# Altium PCB HV_Module_6W.PCBDOC (part 3 of 4) (continued)
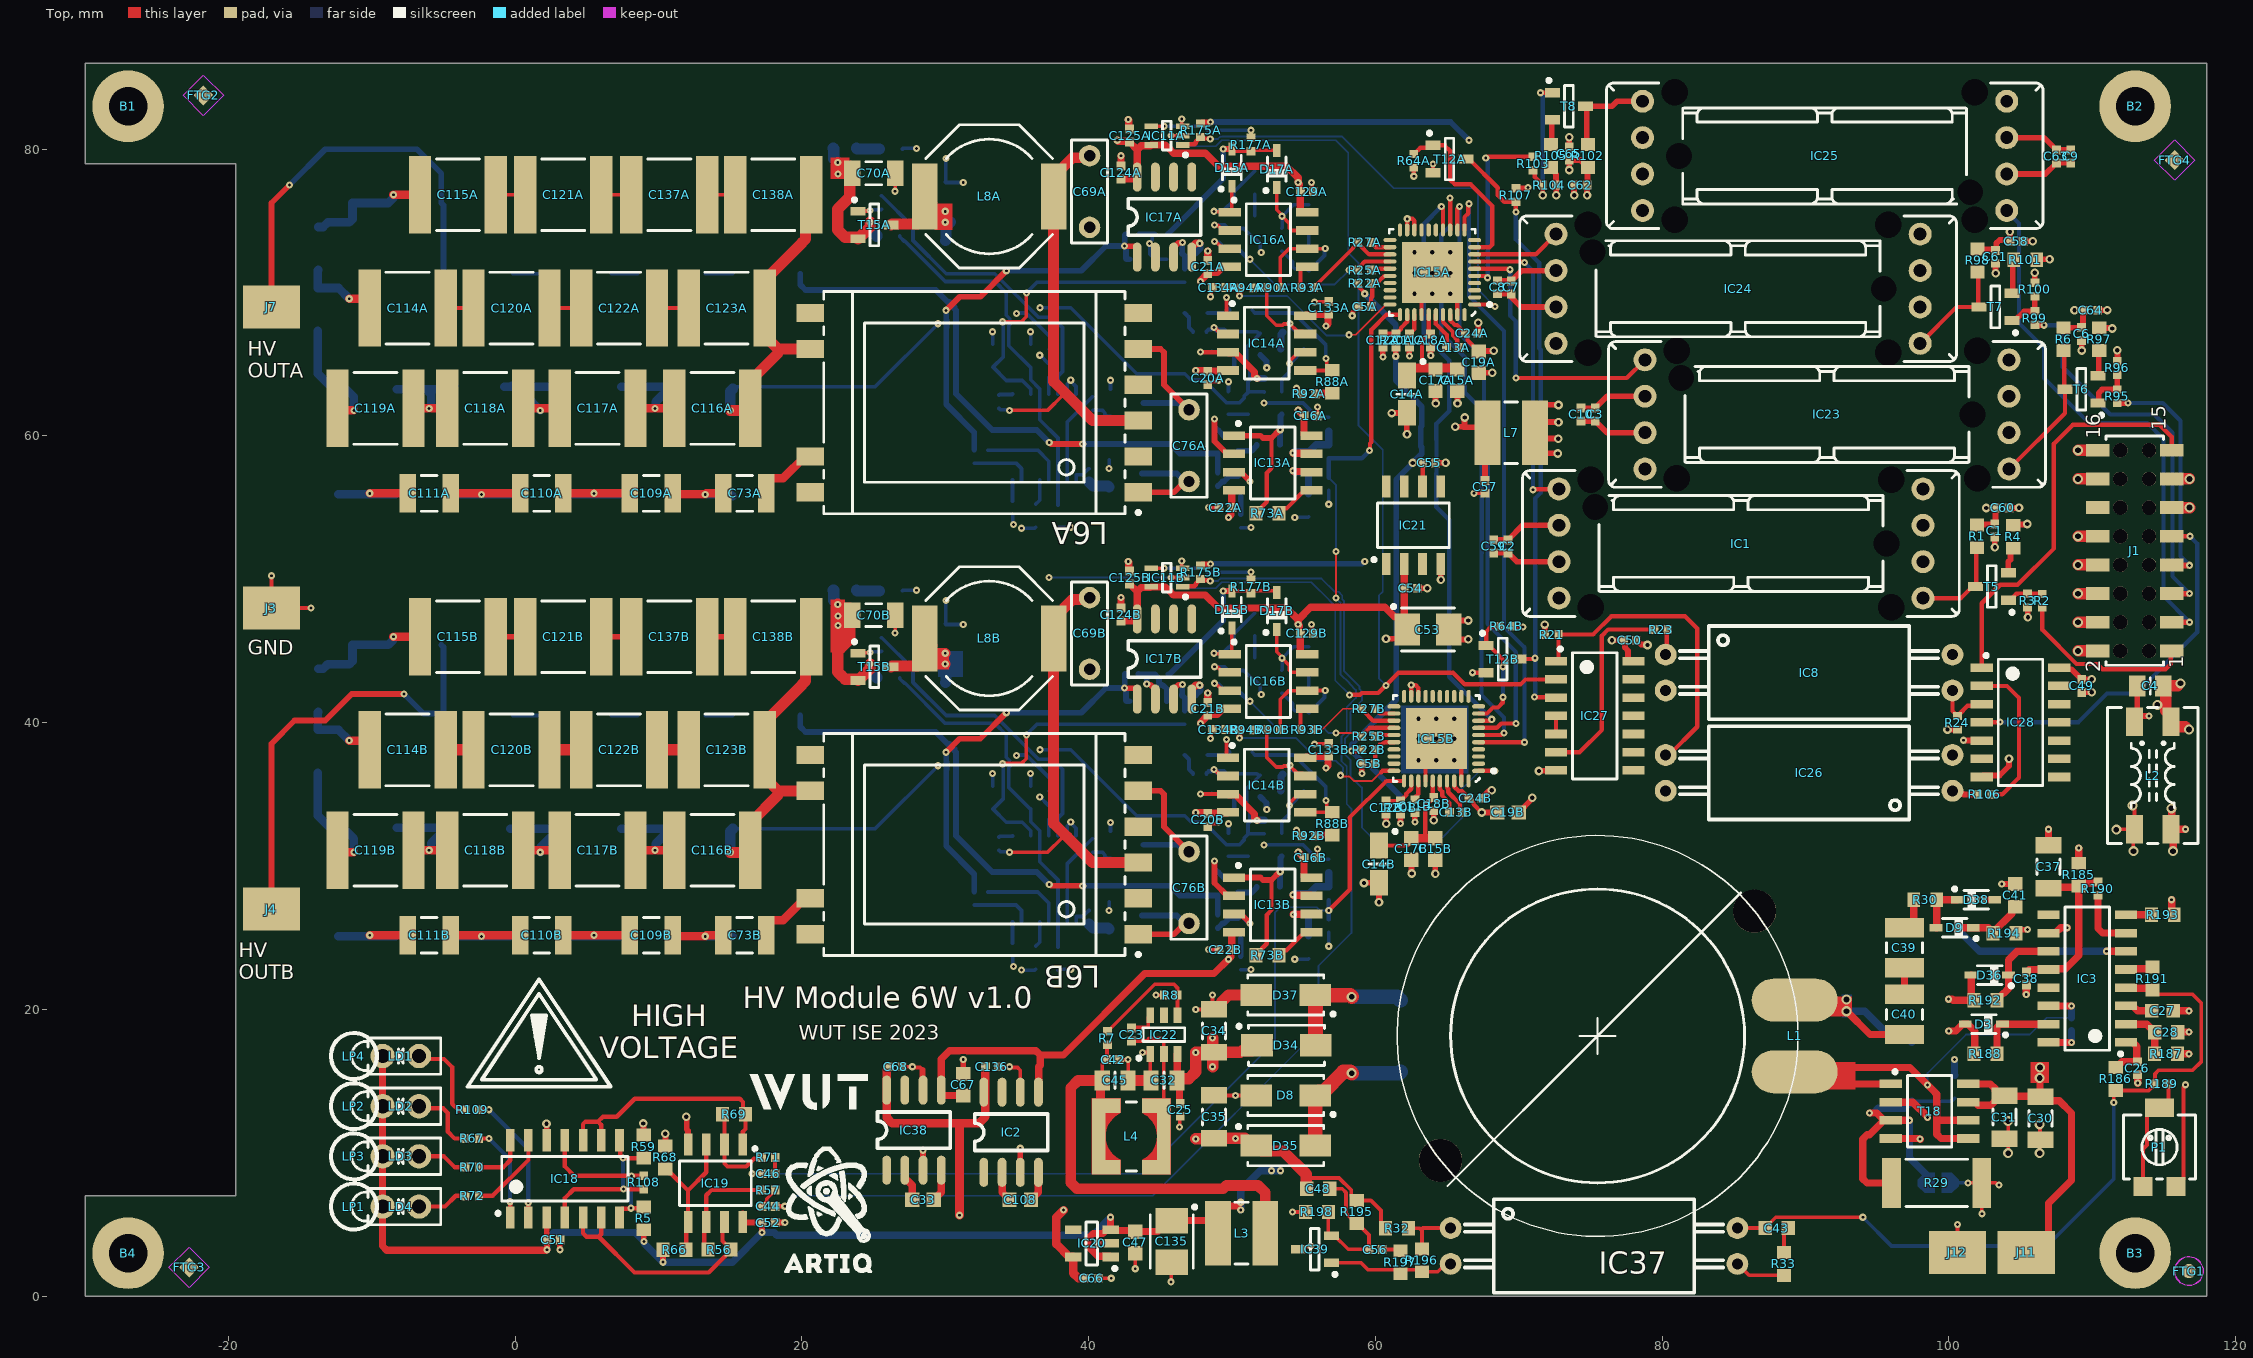
[diagram p0: Top view]
## Nets (pads, with @x,y where several pads share a name; then routed paths per layer and width w, separated by ;. In a path a pad name is that pad's centre, name@x,y a point inside that pad or via, vN(x,y) a via of type N, cw(c..) or ccw(c..) an arc to the next point about the centre after c; other vN are vias at no path point) (continued)
  Bot w0.762: v1(15,61.785) D1A.1@15,63.115 ; D1A.1@15,63.115 D1A.1@15.177,63.292 D1A.1@15,63.115
NetC116A_2: C116A.2 C117A.1 D19A.2 D25A.1 D32A.1 D33A.2 | length 8.6
  Top w0.6: C117A.1@8.4,61.925 v1(9.75,61.925) C116A.2@11.1,61.925
  Bot w0.6: D19A.2@7.405,63.425 D33A.2@10.843,63.425 ; v1(9.75,61.925) 9.805,61.98 9.805,62.387 D33A.2@10.843,63.425 ; D32A.1@11.343,63.425 D33A.2@10.843,63.425
NetC116B_1: C116B.1 C123B.1 C132B.2 C138B.1 D1B.1 D16B.1 D39B.2 L6B.8 R89B.2 R183B.2 | length 71.7
  Top w0.762: v1(15,30.96) 16.26,30.96 C116B.1@16.4,31.1 16.4,33.025 18.325,34.95 18.325,35.25 ; L6B.8@20.525,35.25 18.325,35.25 ; C138B.1@20.65,46 20.256,45.606 20.256,42.912 20,42.656 20,42.625 17.4,40.025 C123B.1@17.4,38.1 17.4,36.175 18.325,35.25
  L2 w0.254: v1(29.5,37) 31.314,37 32.025,37.711 34.261,37.711 34.935,38.385 35.607,38.385 35.877,38.115 v1(36.616,38.115)
  Bot w0.254: D39B.2@15.177,32.6 25.1,32.6 v1(29.5,37) ; v1(36.616,38.115) 38.756,38.115 43.359,33.512 46.7,33.512 47.122,33.09 48.01,33.09 49.608,31.492 50.52,31.492 50.841,31.813 50.841,31.939 51.117,32.215 D16B.1@51.117,32.28 ; R183B.2@50.449,36.446 51.735,36.446 51.852,36.33 C132B.2@51.968,36.33 51.01,35.372 51.01,34.131 51.243,33.898 51.243,33.063 51.117,32.937 D16B.1@51.117,32.28 ; R89B.2@52.25,32.248 52.234,32.264 51.133,32.264 D16B.1@51.117,32.28
  Bot w0.762: v1(15,30.96) 15,32.423 D39B.2@15.177,32.6
NetC116B_2: C116B.2 C117B.1 D19B.2 D25B.1 D32B.1 D33B.2 | length 10.1
  Top w0.6: C117B.1@8.4,31.1 v1(9.75,31.1) C116B.2@11.1,31.1
  Bot w0.6: D19B.2@7.405,32.6 D33B.2@10.843,32.6 ; v1(9.75,31.1) 9.805,31.155 9.805,31.562 D33B.2@10.843,32.6 ; D33B.2@10.843,32.6 D32B.1@11.343,32.6 ; D33B.2@10.843,32.6 D32B.1@11.343,32.6 ; D33B.2@10.843,32.6 D32B.1@11.343,32.6 ; D33B.2@10.843,32.6 D32B.1@11.343,32.6
NetC117A_2: C117A.2 C118A.1 D20A.1 D21A.2 D26A.2 D27A.1 | length 9.7
  Top w0.6: C118A.1@0.564,61.925 C117A.2@3.1,61.925
  Bot w0.6: D21A.2@-0.35,63.425 -0.75,63.425 D27A.1@-0.25,63.425 ; D27A.1@-0.25,63.5 0.075,63.5 1.159,62.416 1.159,62.376 v1(1.75,61.785) ; D27A.1@0.075,63.425 D20A.1@3.559,63.425
NetC117B_2: C117B.2 C118B.1 D20B.1 D21B.2 D26B.2 D27B.1 | length 8.6
  Top w0.6: C118B.1@0.564,31.1 C117B.2@3.1,31.1
  Bot w0.6: D21B.2@-0.35,32.6 D26B.2@3.059,32.6 ; v1(1.75,30.96) 1.75,31.291 D26B.2@3.059,32.6 ; D20B.1@3.559,32.6 D26B.2@3.059,32.6
NetC118A_2: C118A.2 C119A.1 D22A.1 D23A.2 D28A.2 D29A.1 | length 8
  Top w0.6: C119A.1@-7.1,61.925 v1(-6,61.925) C118A.2@-4.736,61.925
  Bot w0.6: D29A.1@-8.25,63.25 -8,63.25 -6.201,63.25 ; v1(-6,61.925) -5.85,62.075 -5.85,62.899 -6.201,63.25 ; D28A.2@-4.25,63.5 -4.75,63.5 -5,63.25 -6.201,63.25
NetC118B_2: C118B.2 C119B.1 D22B.1 D23B.2 D28B.2 D29B.1 | length 8.8
  Top w0.6: C119B.1@-7.1,31.1 v1(-6,31.1) C118B.2@-4.736,31.1
  Bot w0.6: D23B.2@-8.25,32.675 -4.425,32.675 D22B.1@-4.35,32.6 -4.85,32.6 -5.85,31.6 -5.85,31.25 v1(-6,31.1)
NetC119A_2: C119A.2 D24A.1 D30A.2 R168A.1 | length 8.3
  Top w0.6: C119A.2@-12.4,61.925 -12.26,61.785 v1(-11.25,61.785)
  Bot w0.6: R168A.1@-13.777,67.325 -13.777,64.352 -12.85,63.425 D24A.1@-12.35,63.425 -11.95,63.425 -11.25,62.725 v1(-11.25,61.785)
NetC119B_2: C119B.2 D24B.1 D30B.2 R168B.1 | length 8.3
  Top w0.6: C119B.2@-12.4,31.1 -12.26,30.96 v1(-11.25,30.96)
  Bot w0.6: R168B.1@-13.777,36.5 -13.777,33.527 -12.85,32.6 D24B.1@-12.35,32.6 -11.95,32.6 -11.25,31.9 v1(-11.25,30.96)
NetC120A_1: C120A.1 C122A.2 | length 2.2
  Top w0.254: C120A.1@2.4,68.925 C122A.2@4.6,68.925
NetC120B_1: C120B.1 C122B.2 | length 2.2
  Top w0.8: C120B.1@2.4,38.1 C122B.2@4.6,38.1
NetC121A_1: C121A.1 C137A.2 | length 2.1
  Top w0.254: C121A.1@6.005,76.825 C137A.2@8.1,76.825
NetC121B_1: C121B.1 C137B.2 | length 2.1
  Top w0.4: C121B.1@6.005,46 C137B.2@8.1,46
NetC122A_1: C122A.1 C123A.2 | length 2.2
  Top w0.254: C122A.1@9.9,68.925 C123A.2@12.1,68.925
NetC122B_1: C122B.1 C123B.2 | length 2.2
  Top w0.8: C122B.1@9.9,38.1 C123B.2@12.1,38.1
NetC126A_1: C126A.1 C127A.1 D15A.1 IC16A.1 | length 7.3
  Top w0.254: v1(48.75,75.67) 48.783,75.638 49.807,75.638 IC16A.1@49.84,75.605 49.99,75.755 D15A.1@49.99,77.42
  Bot w0.254: v1(48.75,75.67) 48.817,75.67 48.869,75.722 49.392,75.722 C127A.1@49.74,76.07 49.765,76.07 50.113,76.418 50.113,77.012 51.57,78.469 C126A.1@51.595,78.469
NetC126A_2: C126A.2 R62A.1 | length 1.5
  Bot w0.254: R62A.1@51.595,75.35 C126A.2@51.595,76.869
NetC126B_1: C126B.1 C127B.1 D15B.1 IC16B.1 | length 7.3
  Top w0.254: v1(48.75,44.845) 48.783,44.813 49.807,44.813 IC16B.1@49.84,44.78 49.99,44.93 D15B.1@49.99,46.595
  Bot w0.254: v1(48.75,44.845) 48.817,44.845 48.869,44.897 49.392,44.897 C127B.1@49.74,45.245 49.765,45.245 50.113,45.593 50.113,46.187 51.57,47.644 C126B.1@51.595,47.644
NetC126B_2: C126B.2 R62B.1 | length 1.5
  Bot w0.254: R62B.1@51.595,44.525 C126B.2@51.595,46.044
NetC127A_2: C127A.2 IC16A.2 R62A.2 R182A.1 | length 21.2
  Top w0.254: v1(48.78,74.725) 48.827,74.678 49.022,74.678 49.365,74.335 IC16A.2@49.84,74.335
  L2 w0.254: v1(52.043,72.803) 52.043,67.692 51.921,67.57 51.921,64.554 52.255,64.22 52.255,63.803 52.234,63.781 v1(52.234,62.305)
  Bot w0.254: v1(48.78,74.725) 49.485,74.725 C127A.2@49.74,74.47 50.825,74.47 51.545,73.75 R62A.2@51.595,73.75 51.645,73.75 51.968,73.427 51.968,72.945 52.043,72.87 v1(52.043,72.803) ; v1(52.234,62.305) 54.952,62.305 55.962,61.295 R182A.1@56.75,61.295
NetC127B_2: C127B.2 IC16B.2 R62B.2 R182B.1 | length 21.7
  Top w0.254: v1(48.78,43.9) 48.827,43.853 49.022,43.853 49.365,43.51 IC16B.2@49.84,43.51
  L2 w0.254: v1(52.043,41.978) 52.043,36.712 53,35.755 53,32.246 v1(52.234,31.48)
  Bot w0.254: v1(48.78,43.9) 49.485,43.9 C127B.2@49.74,43.645 50.825,43.645 51.545,42.925 R62B.2@51.595,42.925 51.645,42.925 51.968,42.602 51.968,42.12 52.043,42.045 v1(52.043,41.978) ; v1(52.234,31.48) 54.952,31.48 55.962,30.47 R182B.1@56.75,30.47
NetC130A_1: C130A.1 C131A.1 D17A.1 IC16A.7 | length 7.5
  Top w0.254: D17A.1@53.115,77.32 53.115,75.773 53.495,75.393 v1(53.495,75.327) 54,74.822 54,74.484 54.149,74.335 IC16A.7@55.24,74.335
  Bot w0.254: C131A.1@53.47,74.49 53.495,74.515 v1(53.495,75.327) 54.295,76.127 C130A.1@55.34,76.127
NetC130A_2: C130A.2 R84A.1 | length 1.5
  Bot w0.254: C130A.2@55.303,74.49 C130A.2@55.34,74.527 R84A.1@55.34,73.125
NetC130B_1: C130B.1 C131B.1 D17B.1 IC16B.7 | length 7.5
  Top w0.254: D17B.1@53.115,46.495 53.115,44.948 53.495,44.568 v1(53.495,44.502) 54,43.997 54,43.659 54.149,43.51 IC16B.7@55.24,43.51
  Bot w0.254: C131B.1@53.47,43.665 53.495,43.69 v1(53.495,44.502) 54.295,45.302 C130B.1@55.34,45.302
NetC130B_2: C130B.2 R84B.1 | length 1.5
  Bot w0.254: C130B.2@55.303,43.665 C130B.2@55.34,43.702 R84B.1@55.34,42.3
NetC131A_2: C131A.2 IC16A.6 R84A.2 R90A.1 | length 10.2
  Top w0.254: R90A.1@53.36,70.35 53.36,72.455 53.97,73.065 IC16A.6@55.24,73.065 55.245,73.07 56.495,73.07 v1(56.5,73.075)
  Bot w0.254: C131A.2@53.47,72.89 53.495,72.89 54.227,72.158 54.227,71.813 54.376,71.664 55.201,71.664 R84A.2@55.34,71.525 55.39,71.525 56.453,72.588 56.453,73.028 v1(56.5,73.075)
NetC131B_2: C131B.2 IC16B.6 R84B.2 R90B.1 | length 10.2
  Top w0.254: R90B.1@53.36,39.525 53.36,41.63 53.97,42.24 IC16B.6@55.24,42.24 55.245,42.245 56.495,42.245 v1(56.5,42.25)
  Bot w0.254: C131B.2@53.47,42.065 53.495,42.065 54.227,41.333 54.227,40.988 54.376,40.839 55.201,40.839 R84B.2@55.34,40.7 55.39,40.7 56.453,41.763 56.453,42.203 v1(56.5,42.25)
NetC137A_1: C137A.1 C138A.2 | length 2.3
  Top w0.254: C137A.1@13.4,76.825 15.1,76.825 15.35,77.075 C138A.2@15.35,76.825
NetC137B_1: C137B.1 C138B.2 | length 2
  Top w0.4: C137B.1@13.4,46 C138B.2@15.35,46
NetD3_1: D3.1 IC3.15 R188.1 | length 5.6
  Top w0.508: R188.1@103.354,16.9 103.354,18.777 103.552,18.975 D3.1@103.744,18.975 IC3.15@106.954,18.975
NetD3_2: D3.2 R188.2 T18.2 | length 13.5
  Top w0.508: T18.2@95.954,13.535 97.491,13.535 98.519,12.507 v1(98.519,12.473) ; v1(99.996,18.5) 100.477,18.5 100.952,18.975 D3.2@101.144,18.975 101.336,18.975 101.811,18.5 101.811,16.957 R188.2@101.754,16.9
  L2 w0.508: v1(98.519,12.473) 99.15,13.104 99.15,17.654 v1(99.996,18.5)
NetD8_1: D8.1 D35.2 L9.1 | length 10.2
  Top w1.016: D35.2@55.8,10.5 D8.1@55.8,14 56.067,14.267 56.392,14.267 57.777,15.652 58.246,15.652 v4(58.344,15.554)
  Bot w1.016: v4(58.344,15.554) 61.652,15.554 L9.1@61.75,15.652
NetD9_2: D9.2 D38.1 R30.2 | length 3.4
  Top w0.508: D9.2@99.104,25.7 99.15,25.7 99.154,25.704 R30.2@99.154,27.65 D38.1@100.604,27.65
NetD14A_1: D14A.1 IC17A.1 R49A.1 R176A.1 | length 28.5
  Top w0.4: v1(30.061,68.765) 31.011,69.715 32.447,69.715 v1(34.257,71.525) ; v1(42.5,73.253) 42.527,73.226 43.288,73.226 43.385,73.129 IC17A.1@43.385,72.475
  Bot w0.4: v1(30.061,68.765) 30.061,68.08 30.077,68.064 30.077,67.586 30.061,67.57 30.061,62.217 32.025,60.253 R49A.1@32.025,59.05 ; v1(34.257,71.525) 39.478,71.525 41.206,73.253 v1(42.5,73.253) ; R176A.1@42.591,74.075 42.519,74.003 42.519,73.272 v1(42.5,73.253) ; D14A.1@42.855,72.325 42.655,72.325 42.605,72.375 42.605,73.121 42.5,73.226 v1(42.5,73.253)
NetD14A_2: D14A.2 IC17A.2 R176A.2 R178A.1 | length 3.9
  Bot w0.254: R178A.1@44.591,74.075 44.428,73.912 44.428,73.671 44.25,73.494 v1(44.25,73.427) 44.25,72.716 44.641,72.325 D14A.2@45.455,72.325
  Bot w0.4: R176A.2@43.531,74.075 R178A.1@44.591,74.075
NetD14B_1: D14B.1 IC17B.1 R49B.1 R176B.1 | length 28.6
  Top w0.4: v1(30.061,37.94) 31.011,38.89 32.447,38.89 v1(34.257,40.7) ; v1(42.5,42.428) 42.527,42.401 43.288,42.401 43.385,42.304 IC17B.1@43.385,41.65
  Bot w0.4: v1(30.061,37.94) 30.061,37.255 30.077,37.239 30.077,36.761 30.061,36.745 30.061,31.392 32.025,29.428 R49B.1@32.025,28.225 ; v1(34.257,40.7) 39.478,40.7 41.206,42.428 v1(42.5,42.428) ; R176B.1@42.53,43.391 42.515,43.376 42.515,42.443 v1(42.5,42.428) ; D14B.1@42.855,41.5 42.655,41.5 42.605,41.55 42.605,42.296 42.5,42.401 v1(42.5,42.428)
NetD14B_2: D14B.2 IC17B.2 R176B.2 R178B.1 | length 5.3
  Top w0.4: 44.303,42.656 44.655,42.304 IC17B.2@44.655,41.65
  Bot w0.4: R176B.2@43.47,43.391 43.48,43.381 44.084,43.381 ; v1(44.056,42.695) 44.056,43.343 44.084,43.371 R178B.1@44.635,43.371 ; R178B.1@44.635,43.351 44.914,43.073 44.914,42.805 45.105,42.613 45.192,42.613 45.455,42.35 D14B.2@45.455,41.5
NetD15A_2: D15A.2 D17A.2 R177A.2 R178A.2 | length 11.4
  Top w0.254: D15A.2@49.99,80.02 49.99,79.978 50.113,79.855 R177A.2@51.315,79.855 51.38,79.92 D17A.2@53.115,79.92
  Top w0.4: v1(49.39,80.02) D15A.2@49.99,80.02
  Bot w0.4: R178A.2@45.531,74.075 45.531,74.095 49.39,77.954 v1(49.39,80.02)
NetD15B_2: D15B.2 D17B.2 R177B.2 R178B.2 | length 11.2
  Top w0.254: D15B.2@49.99,49.195 53.015,49.195 D17B.2@53.115,49.095
  Top w0.4: v1(49.39,49.195) D15B.2@49.99,49.195
  Bot w0.4: R178B.2@45.575,43.371 45.604,43.343 49.39,47.129 v1(49.39,49.195)
NetD16A_2: D16A.2 D18A.2 | length 1.4
  Bot w0.254: D18A.2@49.74,61.505 D16A.2@51.117,61.505
NetD16B_2: D16B.2 D18B.2 | length 1.4
  Bot w0.254: D18B.2@49.74,30.68 D16B.2@51.117,30.68
NetD31A_1: D31A.1 L8A.1 T15A.3 | length 9.1
  Top w0.762: T15A.3@26.211,74.72 26.277,74.786 28.042,74.786 28.561,75.305 L8A.1@28.561,75.869 ; L8A.1@29.08,76.223 L8A.1@28.561,76.705 28.561,75.912 28.803,75.67 29.616,75.67 ; L8A.1@29.248,75.716 29.246,75.697 29.246,75.674 29.246,75.358 29.47,75.135
  Bot w0.762: v1(29.995,75.67) v1(29.995,74.912) 30.375,74.912 30.039,74.575 30.039,73.659 D31A.1@30,73.62
NetD31B_1: D31B.1 L8B.1 T15B.3 | length 10.4
  Top w0.762: T15B.3@26.211,43.895 26.277,43.961 28.042,43.961 28.561,44.48 L8B.1@28.561,45.044 ; L8B.1@29.08,45.398 L8B.1@28.561,45.88 28.561,45.087 28.803,44.845 29.616,44.845 ; L8B.1@29.246,44.845 29.616,44.845 ; L8B.1@29.248,44.891 29.246,44.872 29.246,44.849 29.246,44.533 29.47,44.31 ; 29.47,44.309 29.693,44.087 v1(29.995,44.087) ; v1(29.995,44.845) 29.616,44.845
  Bot w0.762: v1(29.995,44.845) v1(29.995,44.087) 30.375,44.087 30.039,43.75 30.039,42.834 D31B.1@30,42.795
NetD34_2: D34.2 D37.1 L9.2 | length 9.6
  Top w1.016: D37.1@55.8,21 D37.1@55.821,20.979 ; D34.2@55.843,17.5 55.821,17.521 D37.1@55.821,20.979 ; v4(58.344,20.881) 58.246,20.979 D37.1@55.821,20.979
  Bot w1.016: v4(58.344,20.881) 61.521,20.881 L9.2@61.75,20.652
NetD36_1: D36.1 IC3.11 R192.1 | length 6.2
  Top w0.508: R192.1@103.354,20.65 103.354,20.7 103.807,21.152 103.857,21.152 104.154,21.45 D36.1@104.154,22.4 104.154,23.429 104.78,24.055 IC3.11@106.954,24.055
NetD36_2: D36.2 R192.2 T18.4 | length 16
  Top w0.508: T18.4@95.954,10.995 97.957,10.995 v1(98,10.952) ; v1(99.985,20.716) 100.25,20.716 100.316,20.65 101.554,20.65 R192.2@101.754,20.65 ; R192.2@101.554,20.9 D36.2@101.554,22.4
  L2 w0.508: v1(98,10.952) 97.884,11.068 97.884,17.286 98.75,18.152 98.75,19.216 99.985,20.451 v1(99.985,20.716)
NetIC1_1: IC1.1 R1.1 T5.3 | length 6.7
  Top w0.3: IC1.1@98.2,48.69 100.84,48.69 101.65,49.5 T5.3@101.85,49.5 101.91,49.56 101.91,52.144 R1.1@101.97,52.204
NetIC3_5: IC3.5 R191.1 | length 1.9
  Top w0.508: IC3.5@112.354,22.785 112.4,22.831 114.085,22.831 R191.1@114.204,22.95
NetIC3_7: IC3.7 R190.2 | length 4.4
  Top w0.508: R190.2@110.404,27.96 110.404,25.642 110.721,25.325 IC3.7@112.354,25.325
NetIC3_8: IC3.8 R193.2 | length 1.8
  Top w0.508: IC3.8@112.354,26.595 R193.2@114.124,26.595
NetIC8_1: IC8.1 R23.1 | length 1.8
  Top w0.3: IC8.1@80.25,44.75 80.325,44.825 80.325,46.425 R23.1@80.4,46.5
NetIC8_3: IC8.3 IC28.3 R24.2 | length 4
  Top w0.3: IC8.3@100.25,42.25 100.25,40.82 100.49,40.58 100.49,40.56 100.58,40.47 100.62,40.47 100.76,40.61 100.76,40.63 101.307,41.177 101.675,41.177 101.712,41.214 101.712,41.295 IC28.3@102.3,41.295
NetIC9A_1: IC9A.1 R171A.1 | length 1.4
  Bot w0.254: IC9A.1@39.13,56.93 39.13,57.28 39.153,57.303 39.583,57.303 40.005,57.725 R171A.1@40.025,57.725
NetIC9A_2: IC9A.2 R167A.1 | length 6.5
  Bot w0.254: IC9A.2@38.495,56.93 38.495,60.965 40.255,62.725 R167A.1@40.275,62.725
NetIC9A_4: IC9A.4 R174A.1 | length 5.9
  Bot w0.254: R174A.1@32.975,59.016 36.455,59.016 37.225,58.246 IC9A.4@37.225,56.93
NetIC9A_7: IC9A.7 R49A.2 R174A.2 | length 4.2
  Bot w0.254: R49A.2@32.025,58.11 34.935,58.11 35.32,57.725 IC9A.7@35.32,56.93
NetIC9A_9: IC9A.9 R166A.1 | length 1
  Bot w0.254: R166A.1@33.75,62.857 33.787,62.893 34.664,62.893 34.685,62.915 IC9A.9@34.685,62.93
NetIC9A_13: IC9A.13 R172A.1 R173A.1 | length 3.6
  Bot w0.254: IC9A.13@37.225,62.93 R173A.1@37.225,64.103 37.245,64.103 R173A.1@37.479,64.337 ; R172A.1@37.25,66.06 37.27,66.06 37.789,65.541 37.789,64.648 R173A.1@37.479,64.338
NetIC9A_14: IC9A.14 R165A.1 | length 21.8
  Bot w0.254: R165A.1@25.55,76.76 25.57,76.76 27.75,74.58 27.75,73.636 30.061,71.325 33.45,71.325 36.5,68.275 37.471,68.275 38.175,67.571 38.175,64.495 37.86,64.18 IC9A.14@37.86,62.93
NetIC9B_1: IC9B.1 R171B.1 | length 1.4
  Bot w0.254: IC9B.1@39.13,26.105 39.13,26.455 39.153,26.478 39.583,26.478 40.005,26.9 R171B.1@40.025,26.9
NetIC9B_2: IC9B.2 R167B.1 | length 6.5
  Bot w0.254: IC9B.2@38.495,26.105 38.495,30.14 40.255,31.9 R167B.1@40.275,31.9
NetIC9B_4: IC9B.4 R174B.1 | length 5.9
  Bot w0.254: R174B.1@32.975,28.191 36.455,28.191 37.225,27.421 IC9B.4@37.225,26.105
NetIC9B_7: IC9B.7 R49B.2 R174B.2 | length 4.2
  Bot w0.254: R49B.2@32.025,27.285 34.935,27.285 35.32,26.9 IC9B.7@35.32,26.105
NetIC9B_9: IC9B.9 R166B.1 | length 1
  Bot w0.254: R166B.1@33.75,32.032 33.787,32.068 34.664,32.068 34.685,32.09 IC9B.9@34.685,32.105
NetIC9B_13: IC9B.13 R172B.1 R173B.1 | length 3.6
  Bot w0.254: IC9B.13@37.225,32.105 R173B.1@37.225,33.278 37.245,33.278 37.479,33.512 37.789,33.823 37.789,34.716 37.27,35.235 R172B.1@37.25,35.235
NetIC9B_14: IC9B.14 R165B.1 | length 21.8
  Bot w0.254: R165B.1@25.55,45.935 25.57,45.935 27.75,43.755 27.75,42.811 30.061,40.5 33.45,40.5 36.5,37.45 37.471,37.45 38.175,36.746 38.175,33.67 37.86,33.355 IC9B.14@37.86,32.105
NetIC11A_4: IC11A.4 R177A.1 | length 7.6
  Top w0.254: IC11A.4@44.355,81.6 v1(45.25,81.6) ; R177A.1@51.315,80.795 v1(51.315,81.327)
  Bot w0.254: v1(45.25,81.6) 48.02,81.6 48.293,81.327 v1(51.315,81.327)
NetIC11B_4: IC11B.4 R177B.1 | length 7.6
  Top w0.254: IC11B.4@44.355,50.775 v1(45.25,50.775) ; R177B.1@51.315,49.97 v1(51.315,50.502)
  Bot w0.254: v1(45.25,50.775) 48.02,50.775 48.293,50.502 v1(51.315,50.502)
NetIC13A_1: IC13A.1 R9A.1 R73A.2 R85A.2 | length 11.4
  Top w0.3: R73A.2@51.665,54.6 51.665,54.65 52.42,55.405 52.42,57.419 52.756,57.755 52.756,59.858
  Top w0.4: IC13A.1@50.141,60.021 51.993,60.021 52.156,59.858 52.756,59.858 53.333,60.435 v1(53.36,60.435)
  Bot w0.4: R9A.1@53.33,59.38 53.345,59.395 53.345,60.42 v1(53.36,60.435) 53.379,60.454 53.379,61.414 R85A.2@53.47,61.505
NetIC13A_2: IC13A.2 R63A.1 R181A.2 | length 5.8
  Top w0.4: v1(48.78,61.176) 48.78,59.637 49.666,58.751 IC13A.2@50.141,58.751
  Bot w0.4: v1(48.78,61.176) 48.799,61.157 48.799,60.576 R63A.1@49,60.375 49.05,60.375 49.509,59.916 R181A.2@50.412,59.916
NetIC13A_3: IC13A.3 R28A.2 R74A.1 | length 4
  Top w0.4: IC13A.3@50.141,57.481 50.616,57.481 51.25,56.847 v1(51.25,56.825)
  Bot w0.4: R74A.1@49,56.506 49.02,56.506 49.343,56.829 49.445,56.829 49.799,57.183 50.412,57.183 R28A.2@50.605,57.376 ; R28A.2@50.772,57.303 v1(51.25,56.825)
NetIC13A_5: IC13A.5 R73A.1 | length 3
  Top w0.3: R73A.1@53.265,54.6 53.265,54.65 53.565,54.95 53.805,54.95 55.066,56.211 IC13A.5@55.541,56.211
NetIC13A_6: IC13A.6 R60A.1 R61A.2 | length 3.9
  Top w0.508: v1(54.25,57.575) 54.298,57.527 55.495,57.527 IC13A.6@55.541,57.481
  Bot w0.508: v1(54.25,57.575) 54.319,57.506 55.144,57.506 R61A.2@55.34,57.31 R60A.1@55.34,55.965
NetIC13A_7: IC13A.7 R61A.1 R80A.2 R182A.2 | length 5
  Top w0.508: v1(54.25,58.825) 54.278,58.797 55.495,58.797 IC13A.7@55.541,58.751
  Bot w0.508: v1(54.25,58.825) 54.335,58.91 55.39,58.91 55.86,59.38 R80A.2@56.75,59.38 R182A.2@56.75,60.355
NetIC13B_1: IC13B.1 R9B.1 R73B.2 R85B.2 | length 11.4
  Top w0.3: R73B.2@51.665,23.775 51.665,23.825 52.42,24.58 52.42,26.594 52.756,26.93 52.756,29.033
  Top w0.4: IC13B.1@50.141,29.196 51.993,29.196 52.156,29.033 52.756,29.033 53.333,29.61 v1(53.36,29.61)
  Bot w0.4: R9B.1@53.33,28.555 53.345,28.57 53.345,29.595 v1(53.36,29.61) 53.379,29.629 53.379,30.589 R85B.2@53.47,30.68
NetIC13B_2: IC13B.2 R63B.1 R181B.2 | length 5.8
  Top w0.4: v1(48.78,30.351) 48.78,28.812 49.666,27.926 IC13B.2@50.141,27.926
  Bot w0.4: v1(48.78,30.351) 48.799,30.332 48.799,29.751 R63B.1@49,29.55 49.05,29.55 49.509,29.091 R181B.2@50.412,29.091
NetIC13B_3: IC13B.3 R28B.2 R74B.1 | length 4
  Top w0.4: IC13B.3@50.141,26.656 50.616,26.656 51.25,26.022 v1(51.25,26)
  Bot w0.4: R74B.1@49,25.681 49.02,25.681 49.343,26.004 49.445,26.004 49.799,26.358 50.412,26.358 R28B.2@50.605,26.551 ; R28B.2@50.772,26.478 v1(51.25,26)
NetIC13B_5: IC13B.5 R73B.1 | length 3
  Top w0.3: R73B.1@53.265,23.775 53.265,23.825 53.565,24.125 53.805,24.125 55.066,25.386 IC13B.5@55.541,25.386
NetIC13B_6: IC13B.6 R60B.1 R61B.2 | length 3.7
  Top w0.508: v1(54.28,26.631) 55.515,26.631 IC13B.6@55.541,26.656
  Bot w0.508: v1(54.28,26.631) 55.194,26.631 R61B.2@55.34,26.485 R60B.1@55.34,25.14
NetIC13B_7: IC13B.7 R61B.1 R80B.2 R182B.2 | length 5
  Top w0.508: v1(54.25,28) 54.278,27.972 55.495,27.972 IC13B.7@55.541,27.926
  Bot w0.508: v1(54.25,28) 54.335,28.085 55.39,28.085 55.86,28.555 R80B.2@56.75,28.555 R182B.2@56.75,29.53
NetIC14A_1: IC14A.1 R79A.1 R87A.2 | length 3.9
  Top w0.3: v1(49.615,69.663) 49.615,68.48 IC14A.1@49.715,68.38
  Bot w0.3: R79A.1@48.3,68.575 49.615,68.575 R87A.2@49.805,68.765 49.615,68.955 v1(49.615,69.663)
NetIC14A_2: IC14A.2 R82A.2 R183A.1 | length 2.5
  Top w0.3: IC14A.2@49.715,67.11 49.24,67.11 v1@48.779,67.571 ; v1@48.779,67.571 v1(48.75,67.571) v1@48.779,67.571
  Bot w0.3: R82A.2@48.22,67.271 48.22,67.291 48.36,67.431 v1@48.556,67.431
  Bot w0.4: v1(48.75,67.571) 48.777,67.571 48.967,67.381 49.419,67.381 49.509,67.291 R183A.1@49.509,67.271
NetIC14A_3: IC14A.3 R89A.1 R91A.2 | length 6.1
  Top w0.3: v1(47.811,65.855) 47.818,65.848 49.707,65.848 IC14A.3@49.715,65.84
  Top w0.508: IC14A.3@49.715,65.84 49.761,65.794 50.236,65.794 51.57,64.46 51.57,64.192 v1(51.751,64.011)
  Bot w0.3: v1(47.811,65.855) 48.566,65.855 R91A.2@48.59,65.879
  Bot w0.508: v1(51.751,64.011) 52.249,64.011 R89A.1@52.25,64.013
NetIC14A_5: IC14A.5 R87A.1 R88A.2 | length 9.9
  Top w0.254: IC14A.5@55.115,64.57 56.938,64.57 56.95,64.582 56.627,64.905 56.627,64.955 56.597,64.985 56.597,65.35 v1(56.55,65.397)
  Bot w0.254: R87A.1@51.405,68.765 51.595,68.575 54.315,68.575 56.55,66.34 v1(56.55,65.397)
NetIC14A_6: IC14A.6 R85A.1 R86A.2 | length 5.1
  Top w0.254: v1(54.013,65.057) 54.06,65.104 54.06,65.26 54.64,65.84 IC14A.6@55.115,65.84
  Bot w0.254: R85A.1@53.47,63.105 53.47,63.936 53.966,64.432 53.966,65.01 v1(54.013,65.057) 54.049,65.057 55.006,66.015 R86A.2@55.006,66.065
NetIC14A_7: IC14A.7 R83A.1 R90A.2 R94A.2 | length 7.8
  Top w0.254: R94A.2@51.46,70.325 52.395,70.325 R90A.2@52.42,70.35 52.42,68.395 53.083,67.732 53.533,67.732 53.609,67.808 53.99,67.808 v1(54.037,67.855) ; v1@54.023,67.825 54.532,67.316 54.532,67.283 54.705,67.11 IC14A.7@55.115,67.11 54.942,67.283 54.64,67.283 IC14A.7@54.5,67.283
  Bot w0.254: v1(54.037,67.855) 54.084,67.808 54.084,67.644 54.473,67.255 R83A.1@54.473,67.235
NetIC14B_1: IC14B.1 R79B.1 R87B.2 | length 3.9
  Top w0.3: v1(49.615,38.838) 49.615,37.655 IC14B.1@49.715,37.555
  Bot w0.3: R79B.1@48.3,37.75 49.615,37.75 R87B.2@49.805,37.94 49.615,38.13 v1(49.615,38.838)
NetIC14B_2: IC14B.2 R82B.2 R183B.1 | length 2.5
  Top w0.3: v1(48.75,36.746) 48.779,36.746 49.24,36.285 IC14B.2@49.715,36.285
  Bot w0.3: R82B.2@48.22,36.446 48.22,36.466 48.36,36.606 v1@48.556,36.606
  Bot w0.4: v1(48.75,36.746) 48.777,36.746 48.967,36.556 49.419,36.556 49.509,36.466 R183B.1@49.509,36.446
NetIC14B_3: IC14B.3 R89B.1 R91B.2 | length 6.1
  Top w0.3: v1(47.811,35.03) 47.818,35.023 49.707,35.023 IC14B.3@49.715,35.015
  Top w0.508: IC14B.3@49.715,35.015 49.761,34.969 50.236,34.969 51.57,33.635 51.57,33.367 v1(51.751,33.186)
  Bot w0.3: v1(47.811,35.03) 48.566,35.03 R91B.2@48.59,35.054
  Bot w0.508: v1(51.751,33.186) 52.249,33.186 R89B.1@52.25,33.188
NetIC14B_5: IC14B.5 R87B.1 R88B.2 | length 9.9
  Top w0.254: IC14B.5@55.115,33.745 56.938,33.745 56.95,33.757 56.627,34.08 56.627,34.13 56.597,34.16 56.597,34.525 v1(56.55,34.572)
  Bot w0.254: R87B.1@51.405,37.94 51.595,37.75 54.315,37.75 56.55,35.515 v1(56.55,34.572)
NetIC14B_6: IC14B.6 R85B.1 R86B.2 | length 5.1
  Top w0.254: v1(54.013,34.232) 54.06,34.279 54.06,34.435 54.64,35.015 IC14B.6@55.115,35.015
  Bot w0.254: R85B.1@53.47,32.28 53.47,33.111 53.966,33.607 53.966,34.185 v1(54.013,34.232) 54.049,34.232 55.006,35.19 R86B.2@55.006,35.24
NetIC14B_7: IC14B.7 R83B.1 R90B.2 R94B.2 | length 7.8
  Top w0.254: R94B.2@51.46,39.5 52.395,39.5 R90B.2@52.42,39.525 52.42,37.57 53.083,36.907 53.533,36.907 53.609,36.983 53.99,36.983 v1(54.037,37.03) ; v1@54.023,37 54.532,36.491 54.532,36.458 54.705,36.285 IC14B.7@55.115,36.285 54.942,36.458 54.64,36.458 IC14B.7@54.5,36.458
  Bot w0.254: v1(54.037,37.03) 54.084,36.983 54.084,36.819 54.473,36.43 R83B.1@54.473,36.41
NetIC15A_9: IC15A.9 R64A.2 T12A.1 | length 12.6
  Top w0.3: R64A.2@62.68,79.669 62.7,79.669 63.126,80.095 63.845,80.095 T12A.1@64.02,80.27 64.83,80.27 65.22,79.88 65.22,77.873 65.543,77.55 66.646,77.55 68.15,76.046 68.15,73.36 67.956,73.166 IC15A.9@66.92,73.166
NetIC15A_22: IC15A.22 R27A.1 | length 1.5
  Top w0.3: R27A.1@59.72,73.5 59.72,73.48 60.034,73.166 IC15A.22@61.02,73.166
NetIC15A_25: IC15A.25 R25A.1 | length 1.3
  Top w0.3: R25A.1@59.72,71.566 59.82,71.666 IC15A.25@61.02,71.666
NetIC15B_9: IC15B.9 R64B.2 T12B.1 | length 8.6
  Top w0.3: IC15B.9@67.2,40.64 67.777,40.64 68.201,41.064 68.546,41.064 68.883,41.401 68.883,41.757 v3(68.9,41.774) ; R64B.2@68.648,46.725 68.612,46.689 68.083,46.689 67.723,46.329 T12B.1@67.723,45.39 67.923,45.39 68.9,44.413 v3(68.9,43.9)
  Bot w0.3: v3(68.9,41.774) v3(68.9,43.9)
NetIC15B_22: IC15B.22 R27B.1 | length 1.5
  Top w0.3: R27B.1@60,40.974 60,40.954 60.314,40.64 IC15B.22@61.3,40.64
NetIC15B_25: IC15B.25 R25B.1 | length 1.3
  Top w0.3: R25B.1@60,39.065 60.075,39.14 IC15B.25@61.3,39.14
NetIC16A_3: IC16A.3 R78A.1 | length 2.4
  Top w0.254: v1(48.78,73.572) 48.827,73.525 48.905,73.525 49.365,73.065 IC16A.3@49.84,73.065
  Bot w0.254: v1(48.78,73.572) 48.827,73.525 49.055,73.525 49.665,72.915 R78A.1@49.665,72.895
NetIC16A_5: IC16A.5 R93A.1 | length 1.8
  Top w0.254: R93A.1@54.775,70.35 54.775,71.622 54.948,71.795 IC16A.5@55.24,71.795
NetIC16B_3: IC16B.3 R78B.1 | length 2.4
  Top w0.254: v1(48.78,42.747) 48.827,42.7 48.905,42.7 49.365,42.24 IC16B.3@49.84,42.24
  Bot w0.254: v1(48.78,42.747) 48.827,42.7 49.055,42.7 49.665,42.09 R78B.1@49.665,42.07
NetIC16B_5: IC16B.5 R93B.1 | length 1.8
  Top w0.254: R93B.1@54.775,39.525 54.775,40.797 54.948,40.97 IC16B.5@55.24,40.97
NetIC17A_3: IC17A.3 R179A.1 R180A.1 | length 3.4
  Top w0.4: IC17A.3@45.925,72.475 45.925,73.129 46.277,73.481 46.536,73.481 v1(46.555,73.501)
  Bot w0.4: v1(46.555,73.501) 46.536,73.481 46.536,72.803 R180A.1@46.5,72.767 46.5,72.747 46.7,72.547 R179A.1@46.7,71.664